# Altium PCB Coler.PcbDoc
Units mm, origin at the board's own origin, x right, y up, seen from the top; angles counter-clockwise.
Board outline 92 x 55 mm, 2 copper layers (Top Layer, Bottom Layer); 41 components, 40 nets, 159 pads, 5 vias.
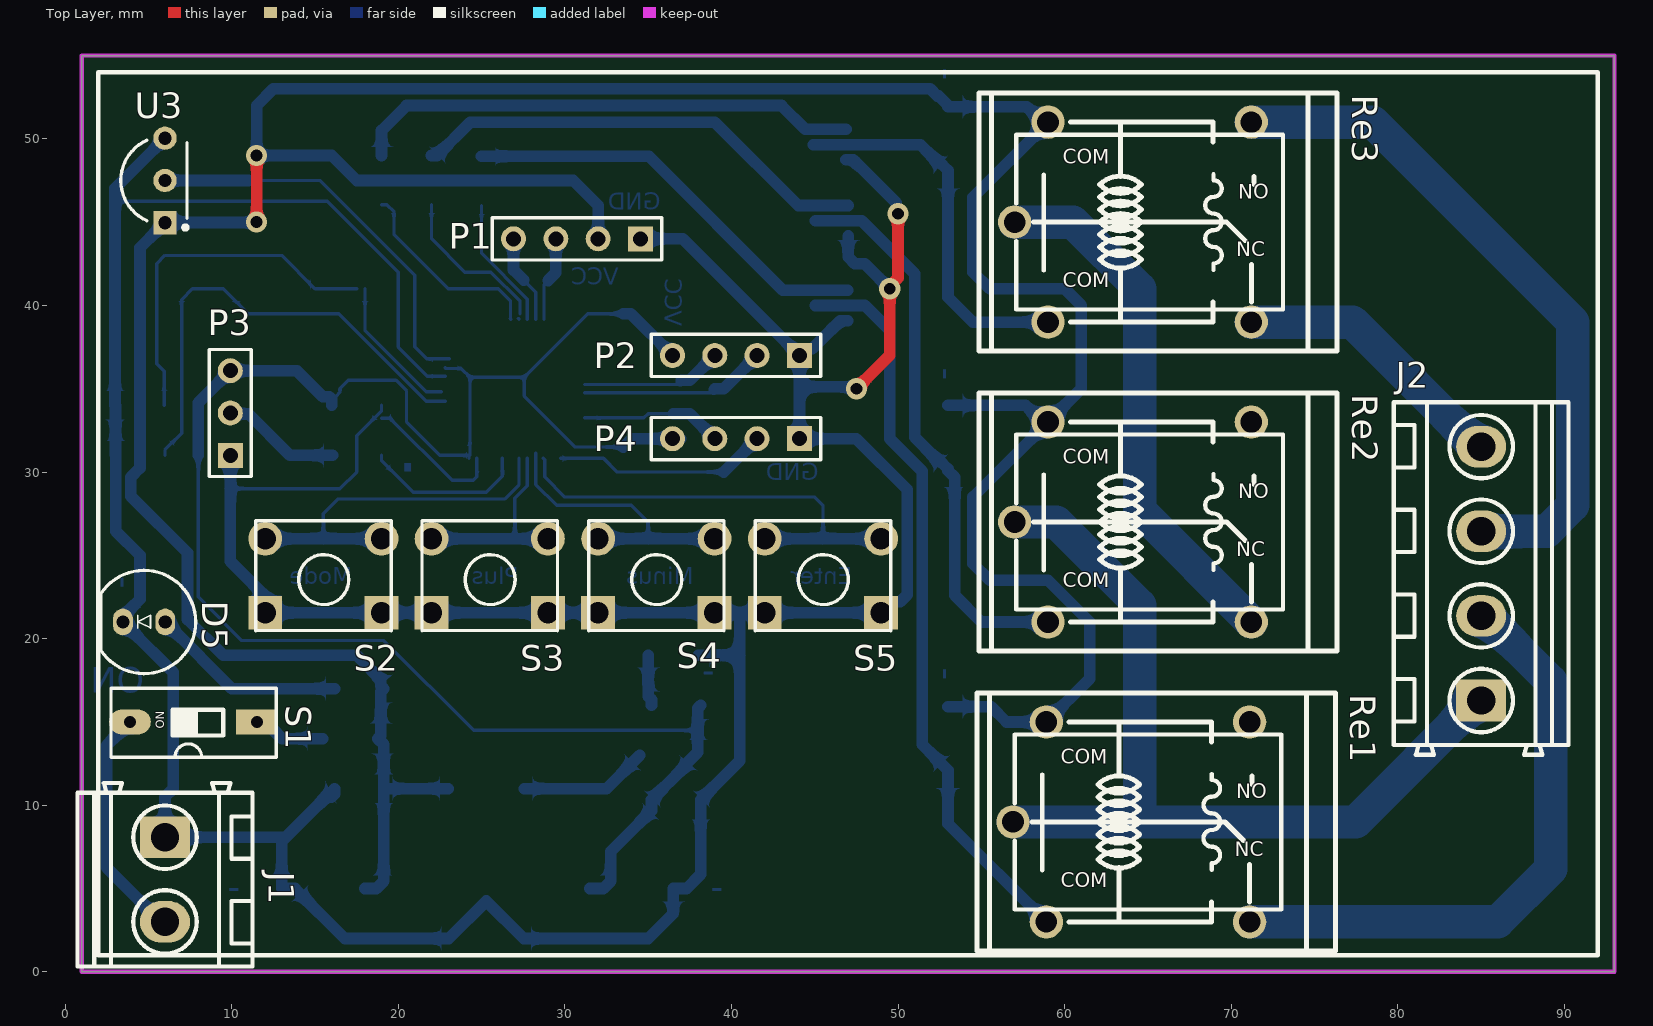
[diagram p0: Top Layer view]
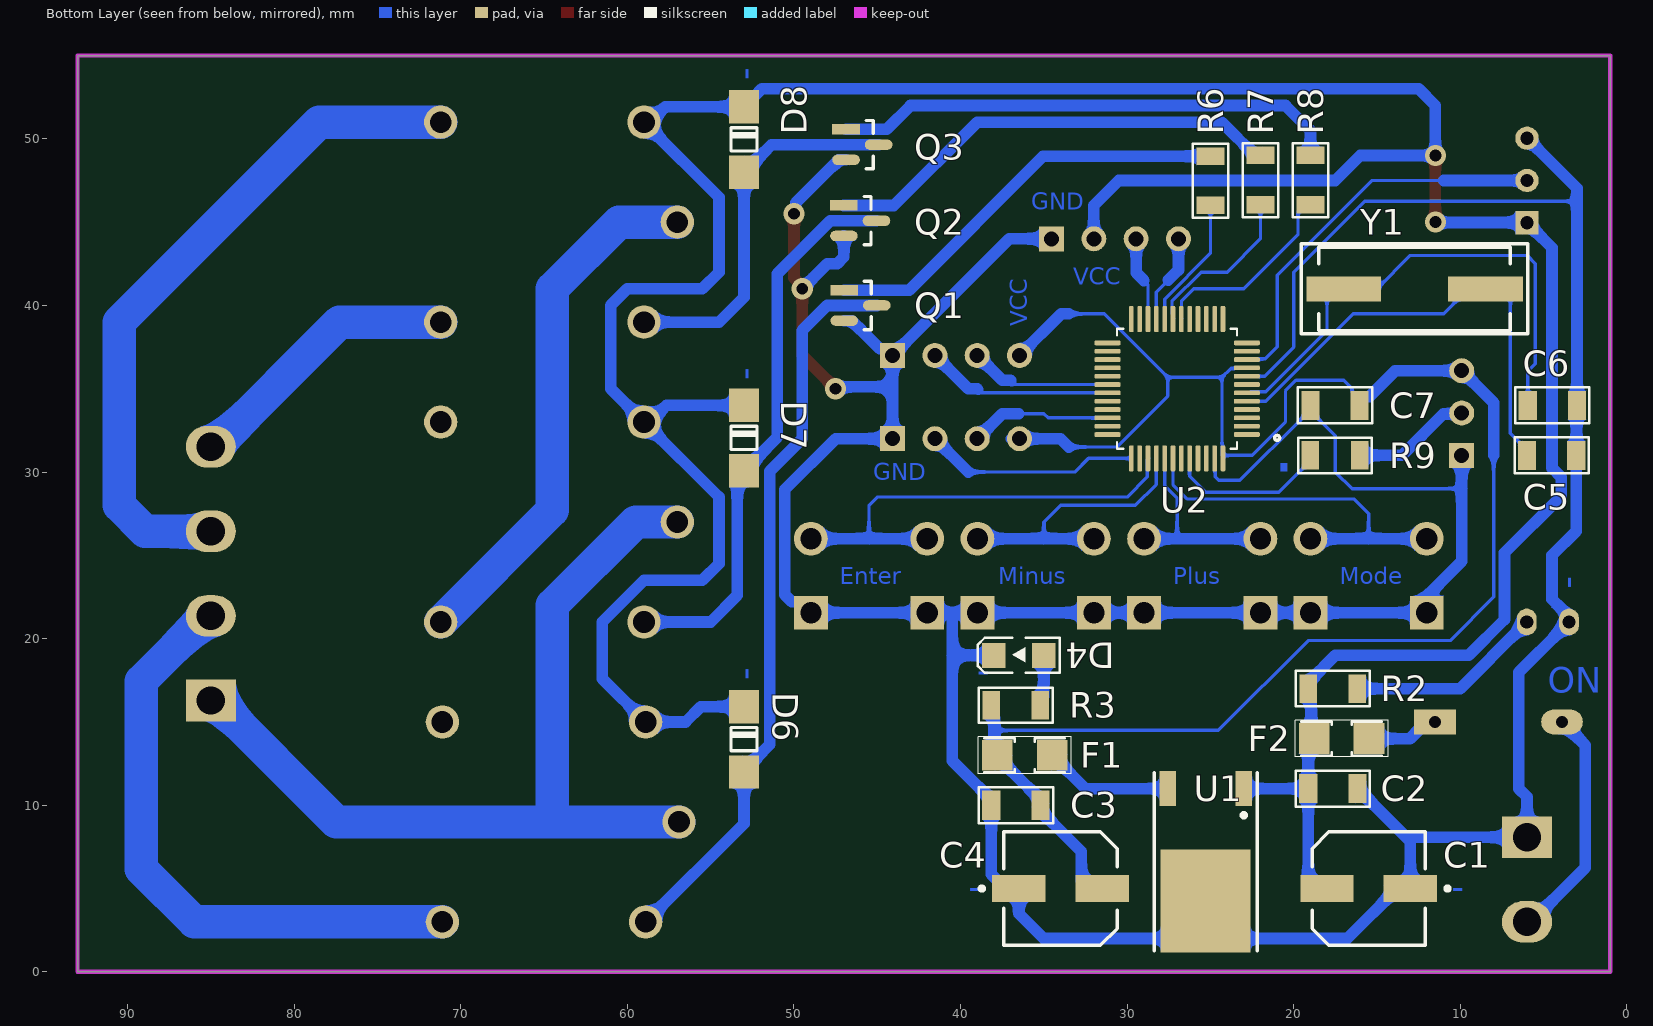
[diagram p1: Bottom Layer view, seen from below]

## Layer stack, top to bottom
Top Solder: solder mask 0.0102, Solder Resist, Dk 3.5
Top Layer: signal copper 0.0356
Dielectric 1: dielectric 0.32, FR-4, Dk 4.8
Bottom Layer: signal copper 0.0356
Bottom Solder: solder mask 0.0102, Solder Resist, Dk 3.5

## Board outline
1,0 1,55 93,55 93,0

## Design rules (kind name [scope] priority, off if disabled: settings)
Clearance [All] p1: gap=0.2 ignorepadtopadclearanceinfootprint=FALSE except(0.7: THPad-THPad THPad-Via THPad-Fill THPad-Poly THPad-Region THPad-Hole Via-Via Via-Fill Via-Poly Via-Region Via-Hole Fill-Fill Fill-Poly Fill-Region Fill-Hole Poly-Poly Poly-Region Poly-Hole Region-Region Region-Hole Text-Hole)
PolygonConnect [All] p1: connectstyle=Relief reliefconductorwidth=0.254 reliefentries=4 polygonreliefangle="90 Angle" airgapwidth=0.254
RoutingVias [All] p1: holewidth=0.711 width=1.27 viastyle="Through Hole" minholewidth=0.711 minwidth=1.27 maxholewidth=0.711 maxwidth=1.27
SolderMaskExpansion [All] p1: expansion=0.102 istentingtop=FALSE
SupplyNets "Schematic Supply Nets_4" [InNet('Vin')] p1: voltage=0.000
SupplyNets "Schematic Supply Nets_3" [InNet('VCC')] p2: voltage=0.000
SupplyNets "Schematic Supply Nets_2" [InNet('L')] p3: voltage=0.000
SupplyNets "Schematic Supply Nets_1" [InNet('micro VCC')] p4: voltage=0.000
SupplyNets "Schematic Supply Nets" [InNet('GND')] p5: voltage=0.000
UnRoutedNet [All] p1: checkbadconnections=TRUE
Width [All] p1: maxlimit=2 minlimit=0.2 preferedwidth=0.7
29 further rules are at their usual default settings.

## Classes and differential pairs
component class Coler: C1 C2 C3 C4 C6 D4 D6 D7 D8 enter F1 J1 J2 P1 P2 P4 Q1 Q2 Q3 R2 R3 R6 R7 R8 R9 Re1 Re2 Re3 S1 S2 S3 S4 S5 U1 U2 U3 Y1

## Components (designator, comment, footprint, x,y, rotation, side; value= is the part's Value field where it differs from the comment)
C1 "100uF 16V" "CAP ELECT SMD" 15.5,5 r0 bottom
C2 "100nF" CAP1206 13.354,13.24 r0 bottom
C3 "100nF" CAP1206 40.971,7.76 r180 bottom
C4 "100uF 16V" "CAP ELECT SMD" 34,5 r180 bottom
C5 "22pF" CAP1206 0.229,33.24 r0 bottom
C6 "22pF" CAP1206 0.179,36.24 r0 bottom
C7 "100nF" CAP1206 21.821,31.76 r180 bottom
D4 "LED_YELLOW_1206" "LED 1206" 33.348,17.217 r180 bottom
D5 "LED5MM_RED" LED5MM_RED 75.741,67.807 r180 top
D6 "1N4007" "Diode 1N4007 SMD" 50.548,8.952 r90 bottom
D7 "1N4007" "Diode 1N4007 SMD" 50.548,27.032 r90 bottom
D8 "1N4007" "Diode 1N4007 SMD" 50.548,44.952 r90 bottom
F1 "F=0.1 A" "Fuse 1206" 39.038,13.905 r0 bottom
F2 "F=1.0 A" "Fuse 1206" 20.013,14.905 r0 bottom
J1 "Phoenix 2 way" "Terminal Block 2Pin" 6,5.54 r270 top
J2 "Phoenix 4 way" "Terminal Block 4Pin" 85,23.905 r90 top
P1 "Header 4" "Header 4 Male" 62.861,64.32 r180 top
P2 "Header 4" "Header 4 Male" 72.401,57.32 r180 top
P3 "Header 3" "Header 3 Male" 26.809,13.093 r90 top
P4 "Header 4" "Header 4 Male" 72.401,52.32 r180 top
Q1 "BJT SOT23 SMD" "BJT SOT23 SMD" 46,40 r180 bottom
Q2 "BJT SOT23 SMD" "BJT SOT23 SMD" 46.023,45.085 r180 bottom
Q3 "BJT SOT23 SMD" "BJT SOT23 SMD" 45.895,49.65 r180 bottom
R2 "220R" RES1206 13.234,18.976 r0 bottom
R3 "220R" RES1206 32.259,17.976 r0 bottom
R6 "10K" RES1206 23.024,43.054 r90 bottom
R7 "10K" RES1206 20.024,43.104 r90 bottom
R8 "10K" RES1206 17.024,43.104 r90 bottom
R9 "10K" RES1206 13.104,32.976 r0 bottom
Re1 "Relay 1C" "Relay 2x1" 65,9 r0 top
Re2 "Relay 1C" "Relay 2x1" 65.1,27 r0 top
Re3 "Relay 1C" "Relay 2x1" 65.1,45 r0 top
S1 "DIP Switch x1" "DIP Switch x1" 28.409,-37.959 r90 top
S2 "Push Button Switch DIP" "Push Button Switch DIP" 88.287,76.621 r180 top
S3 "Push Button Switch DIP" "Push Button Switch DIP" 98.272,76.621 r180 top
S4 "Push Button Switch DIP" "Push Button Switch DIP" 108.272,76.621 r180 top
S5 "Push Button Switch DIP" "Push Button Switch DIP" 118.272,76.621 r180 top
U1 "LF33 CDT" "Regulator SMD CDT" 16.444,10.039 r0 bottom
U2 "STM32F103C8T6" STM32F103C8T6 27,35 r0 bottom
U3 "LM35DZ/NOPB" LM35 6,47.5 r180 top
Y1 "8MHz" "Crystal SMD" 4.137,45.549 r0 bottom

## Footprints (in the part's own frame and the unit in brackets; to place one, negate y for a bottom-side part, rotate by r counter-clockwise, add the part's x,y. Pads: shape width x height; smd on the part's side, far side on the other; paste and mask are expansions set on the pad)
"BJT SOT23 SMD" [mm]
  rect 1.659x0.627 smd paste+0 mask+0: 1(-0.977,0.915)
  rrect100% 1.659x0.627 smd paste+0 mask+0: 2(-0.977,-0.915) 3(0.977,0)
  silkscreen extent 0.23,-1.45 0.65,1.45, body extent -1.2,-1.45 1.2,1.45, height 1.1
CAP1206 [mm]
  rect 1.1x1.75 smd: 1(2.821,2.24) 2(5.771,2.24)
  silkscreen extent 2.07,1.17 6.52,3.31, body extent 2.65,1.39 5.95,3.09, height 0.94
"CAP ELECT SMD" [mm]
  rect 3.2x1.6 smd paste+0 mask+0: 1(-2.5,0) 2(2.5,0)
  silkscreen extent -4.85,-3.4 3.4,3.4, body extent -3.9,-3.3 3.9,3.3, height 6.1
"Crystal SMD" [mm]
  rect 4.5x1.5 smd: 1(4.363,4.549) 2(12.863,4.549)
  silkscreen extent 1.81,1.85 15.41,7.25, body extent 2.4,2.3 14.7,6.8, height 5.18
"Diode 1N4007 SMD" [mm]
  rect 2x1.8 smd: 1(3.048,2.452) 2(6.968,2.452)
  silkscreen extent 4.32,1.64 5.72,3.28, body extent 2.51,1.09 7.51,3.79, height 2.16
"DIP Switch x1" [mm]
  rect 1.5x2.5 hole 0.7: 1(52.959,16.891)
  oval 1.5x2.5 hole 0.7: 2(52.959,24.511)
  silkscreen extent 50.83,15.74 54.99,25.65, body extent 50.99,15.75 54.99,25.65, height 6.8
"Fuse 1206" [mm]
  rect 1.85x1.85 smd: 1(-4.538,0.905) 2(-1.238,0.905)
  silkscreen extent -5.69,-0.2 -0.09,2, body extent -4.49,0.11 -1.29,1.71, height 1
"Header 3 Male" [mm]
  rect 1.5x1.5 hole 0.9: 1(17.907,16.891)
  round 1.5 hole 0.9: 2(20.447,16.891) 3(22.987,16.891)
  silkscreen extent 16.64,15.62 24.26,18.16, body extent 16.64,15.62 24.26,18.16, height 8.38
"Header 4 Male" [mm]
  rect 1.5x1.5 hole 0.9: 1(28.321,20.32)
  round 1.5 hole 0.9: 2(30.861,20.32) 3(33.401,20.32) 4(35.941,20.32)
  silkscreen extent 27.05,19.05 37.21,21.59, body extent 27.05,19.05 37.21,21.59, height 8.38
LED5MM_RED [mm]
  oval 1.2x1.6 hole 0.8: 1(69.725,46.807) 2(72.265,46.807)
  silkscreen extent 67.9,43.71 73.59,49.91, body extent 68.02,43.81 73.45,49.83, height 12.31
"LED 1206" [mm]
  rect 1.4x1.5 smd: 1(-4.652,1.783) 2(-1.652,1.783)
  silkscreen extent -5.61,0.73 -0.7,2.84, body extent -4.75,0.98 -1.55,2.58, height 0.68
LM35 [mm] "TO, Flat Index; 3 In-Line, Formed Axial Leads; Body Dia. 4.8mm; Leads 0.56 x 0.41 mm (max)"
  rrect7% 1.4x1.4 hole 0.8: 1(0,2.54)
  round 1.4 hole 0.8: 2(0,0) 3(0,-2.54)
  silkscreen extent -1.35,-2.41 2.65,2.95, body extent -1.33,-2.83 2.35,2.83, height 9.01
"Push Button Switch DIP" [mil]
  rect 80x80 hole 50: 1(2727.81,2167.97) 1(3002.81,2167.97)
  round 80 hole 50: 2(2727.81,1992.97) 2(3002.81,1992.97)
  silkscreen extent 2705,1950 3025,2210, body extent 2710,1959 3022,2203, height 205
"Regulator SMD CDT" [mm]
  rect 1x2.1 smd: 1(6.556,-0.961) 3(11.126,-0.961)
  rect 5.4x6.2 smd: 2(8.841,5.789)
  silkscreen extent 5.76,-1.91 11.93,8.79, body extent 5.57,-1.7 12.11,8.24, height 2.39
"Relay 2x1" [mm]
  round 2 hole 1.3 mask+0.05: 1(-8.1,0) 2(6.1,6) 3(6.1,-6) 4(-6.1,6) 5(-6.1,-6)
  silkscreen extent -10.25,-7.75 11.25,7.75, body extent -9.5,-7.75 9.5,7.75, height 15.51
RES1206 [mm]
  rect 1.05x1.7 smd: 1(2.946,1.976) 2(5.896,1.976)
  silkscreen extent 2.2,0.92 6.64,3.04, body extent 2.77,1.13 6.07,2.83, height 0.94
STM32F103C8T6 [mm]
  rrect50% 1.56x0.28 smd: 1(-4.18,2.75) 2(-4.18,2.25) 3(-4.18,1.75) 4(-4.18,1.25) 5(-4.18,0.75) 6(-4.18,0.25) 7(-4.18,-0.25) 8(-4.18,-0.75) 9(-4.18,-1.25) 10(-4.18,-1.75) 11(-4.18,-2.25) 12(-4.18,-2.75) 25(4.18,-2.75) 26(4.18,-2.25) 27(4.18,-1.75) 28(4.18,-1.25) 29(4.18,-0.75) 30(4.18,-0.25) 31(4.18,0.25) 32(4.18,0.75) 33(4.18,1.25) 34(4.18,1.75) 35(4.18,2.25) 36(4.18,2.75)
  rrect50% 0.28x1.56 smd: 13(-2.75,-4.18) 14(-2.25,-4.18) 15(-1.75,-4.18) 16(-1.25,-4.18) 17(-0.75,-4.18) 18(-0.25,-4.18) 19(0.25,-4.18) 20(0.75,-4.18) 21(1.25,-4.18) 22(1.75,-4.18) 23(2.25,-4.18) 24(2.75,-4.18) 37(2.75,4.18) 38(2.25,4.18) 39(1.75,4.18) 40(1.25,4.18) 41(0.75,4.18) 42(0.25,4.18) 43(-0.25,4.18) 44(-0.75,4.18) 45(-1.25,4.18) 46(-1.75,4.18) 47(-2.25,4.18) 48(-2.75,4.18)
  silkscreen extent -6.15,-3.6 3.6,3.6, body extent -4.5,-4.5 4.5,4.5, height 1.6
"Terminal Block 2Pin" [mm]
  rect 2.5x3 hole 1.7: 1(-2.54,0)
  oval 2.5x3 hole 1.7: 2(2.54,0)
  silkscreen extent -5.79,-5.25 5.21,5.25, body extent -5.67,-5.25 5.09,5.25, height 14.85
"Terminal Block 4Pin" [mm]
  rect 2.5x3 hole 1.7: 1(-7.62,0)
  oval 2.5x3 hole 1.7: 2(-2.54,0) 3(2.54,0) 4(7.62,0)
  silkscreen extent -10.87,-5.25 10.29,5.25, body extent -10.75,-5.25 10.17,5.25, height 14.85

## Part data
C1 C4: library part "CAP elect SMD", "CAP ALUM 100UF 20% 16V SMD", Capacitance=100uF, Case/Package=Radial, Dielectric Material=Aluminium, ESR (Equivalent Series Resistance)=360mR, Leakage Current=16uA, Max Operating Temperature=105°C, Min Operating Temperature=-55°C, Package Quantity=1000, Ratings=AEC-Q200, Ripple Current=240mA, Tolerance=20%, Voltage=16V, Construction=Cylindrical, Contact Plating=Tin, Diameter=6.3mm, Height=5.8mm, Height - Seated (Max)=0.24inch, Impedance=360mR, Lead Free="Lead Free", Lead Length=2.6mm, Lead Pitch=1.8mm, Length=5.8mm, Life (Hours)=2000Hour, Mount="Surface Mount", Number of Pins=2, Packaging="Tape and Reel", Polarity=Polar, Radiation Hardening=No, Reach SVHC Compliant=Yes, Ripple Current (AC)=240mA, RoHS Compliant=Yes, Series=FK, Termination=SMD/SMT, Voltage Rating=16V, Voltage Rating (DC)=16V, Width=6.6mm
C2 C3 C5 C6 C7: library part CAP1206, "CAP1206"
D4: library part LED_SMD_1206
D6 D7 D8: library part "Diode 1N4007 SMD", "Diode 1N4007 SMD"
F1 F2: library part "SMD Fuses 1206", "SMD Fuses 1206"
P1 P2 P4: library part "Header 4 Male"
P3: library part "Header 3 Male"
Q1 Q2 Q3: "TRANS NPN 40V 0.6A SMD SOT23-3", Case/Package=SOT-23, Collector Base Voltage (VCBO)=75V, Collector Emitter Breakdown Voltage=40V, Collector Emitter Saturation Voltage=1V, Continuous Collector Current=600mA, Current=1A, Emitter Base Voltage (VEBO)=6V, Frequency=300MHz, Max Operating Temperature=150°C, Max Power Dissipation=300mW, Min Operating Temperature=-55°C, Package Quantity=3000, Power Dissipation=350mW, Collector Emitter Voltage (VCEO)=40V, Contact Plating=Tin, Current Rating=600mA, Element Configuration=Single, Gain Bandwidth Product=300MHz, Height=1mm, hFE Min=100, Lead Free="Lead Free", Length=3.05mm, Max Breakdown Voltage=40V, Max Collector Current=600mA, Max Frequency=300MHz, Mount="Surface Mount", Number of Elements=1, Number of Pins=3, Packaging="Tape and Reel", Polarity=NPN, Radiation Hardening=No, REACH SVHC="No SVHC", Termination=SMD/SMT, Transition Frequency=300MHz, Voltage=40V, Voltage Rating (DC)=40V, Weight=0.000282oz, Width=1.4mm
R2 R3 R6 R7 R8 R9: library part RES1206, "RES1206"
U1: library part "Regulator SMD"
U2: "ARM® Cortex®-M3 STM32F1 Microcontroller IC 32-Bit 72MHz 64KB (64K x 8) FLASH 48-LQFP (7x7)", Package="LQFP-48 STMicroelectronics", Check_prices=https://www.snapeda.com/parts/STM32F103C8T6/STMicroelectronics/view-part/?ref=eda, MF=STMicroelectronics, MP=STM32F103C8T6, SnapEDA_Link=https://www.snapeda.com/parts/STM32F103C8T6/STMicroelectronics/view-part/?ref=snap
U3: library part "LM35 DIP", "Precision Centigrade Temperature Sensor, 3-pin TO-92, Pb-Free", Manufacturer="Texas Instruments", PackageTopMarking=NSXYTT*LM35*DZ, PowerWise=N, Code_JEDEC=TO-226-AA, ComponentLink1Description="Datasheet URL", ComponentLink1URL=http://www.ti.com/general/docs/lit/getliterature.tsp?genericPartNumber=LM35&fileType=pdf, CompType="Temp Sensor IC", PackageDescription="TO-92, Molded, 3 Lead", PackageReference=LP0003A, PinCount=3, RoHS=Y
Y1: library part "Crystal SMD", "Crystal SMD"

## Via types
v1: diameter 1.27, hole 0.711, Top Layer to Bottom Layer, 5 vias

## Nets (pads, with @x,y where several pads share a name; then routed paths per layer and width w, separated by ;. In a path a pad name is that pad's centre, name@x,y a point inside that pad or via, vN(x,y) a via of type N, cw(c..) or ccw(c..) an arc to the next point about the centre after c; other vN are vias at no path point)
BOOT0: R9.2 U2.44 | length 9.8
  Bottom Layer w0.2: R9.2 19,30.675 20.896,28.779 25.279,28.779 26.25,29.75 U2.44
ENTER: S5.2 U2.39 | length 27.5
  Bottom Layer w0.2: U2.39@28.71,30.82 28.79,30.74 28.79,29.71 30,28.5 45,28.5 45.492,28.008 45.492,26
  Bottom Layer w0.7: S5.2@42,26 45.492,26 S5.2@48.985,26
FAST: R8.1 U2.18 | length 12.1
  Bottom Layer w0.2: R8.1 19.325,46.05 19.75,45.625 19.75,44.25 23,41 26,41 26.74,40.26 26.74,39.25 26.71,39.22 U2.18
"FAST STATE": D8.1 Q3.3 Re3.5 | length 22.9
  Bottom Layer w0.7: Q3.3 51.35,49.65 52.35,48.65 52.45,48.65 53,48.1 D8.1 53,40.5 54.5,39 Re3.5
GND: C1.1 C2.1 C3.1 C4.1 C5.1 C6.1 C7.1 D4.1 D5.2 J1.1 P1.1 P2.1 P3.1 P4.1 Q1.2 Q2.2 Q3.2 S2.1 S3.1 S4.1 S5.1 U1.2 U2.8 U2.47 U3.3 | length 267.8
  Top Layer w0.7: v1(47.5,35) 49.5,37 49.5,41.154 50,41.654 v1(50,45.5)
  Bottom Layer w0.2: 3,46.25 15.75,46.25 20,42 20,37.5 21.75,35.75 U2.8 ; 9.918,29 16.5,29 17.5,30 17.5,32.175 19,33.675 C7.1 ; C7.1@19,33.225 19.504,33.225 23.229,29.5 24.5,29.5 24.71,29.71 U2.47@24.71,30.82
  Bottom Layer w0.7: U3.3 3,47.04 3,46.25 C6.1 3.025,33.975 3.025,31.025 C5.1 3.05,26.45 4.5,25 4.5,22.36 3.476,21.335 D5.2 3.476,20.935 3.861,20.55 3.926,20.55 6.5,17.976 6.5,11 6,10.5 J1.1 13.255,8.08 ; P3.1 9.918,29 9.918,24.652 S2.1@13.015,21.555 ; S2.1@12.015,21.555 S2.1@13.015,21.555 ; C2.1 16.175,10.675 15.975,10.475 15.65,10.475 13.255,8.08 ; P1.1 37.08,44 P2.1 ; D4.1 40.5,19 ; S4.1@39.5,21.04 S4.1@38.985,21.555 ; 40.5,21.04 40.5,19 ; Q3.2 47.314,48.735 49.891,46.159 49.891,45.609 v1(50,45.5) ; Q1.2 46.534,39.085 44.849,37.4 44.48,37.4 P2.1 ; Q2.2 47,42.91 47.41,42.5 48,42.5 v1(49.5,41) ; v1(47.5,35) 47.391,35.109 44.08,35.109 ; S2.1@13.015,21.555 19,21.555 22,21.555 28.985,21.555 32,21.555 S4.1@38.985,21.555 ; 13.255,8.08 13,7.825 C1.1 13.8,5 16.8,2 23.035,2 U1.2 27.535,2 35,2 36.5,3.5 C4.1 37.3,5 38.15,5.85 C3.1 38.15,10.325 40.5,12.675 40.5,19 ; S4.1@38.985,21.555 42,21.555 48.985,21.555 49.651,22.221 50.141,22.221 50.551,22.631 50.551,28.949 47.5,32 P4.1 44.08,35.109 ; 44.08,35.109 P2.1
L: J2.1 Re1.1 Re2.1 | length 53.9
  Bottom Layer w2: Re1.1 64.5,9 77.465,9 84.75,16.285 J2.1 ; Re2.1 59.5,27 64.5,22 64.5,9.5 64,9
"micro VCC": C3.2 C4.2 C7.2 F1.2 P2.4 P3.3 P4.4 R3.2 U2.9 U2.48 | length 114.1
  Bottom Layer w0.2: 8,31 8,22.5 10.612,19.888 19.137,19.888 24.523,14.503 37.98,14.503 ; C7.2 C7.2@16.212,34.162 ; C7.2@16.275,34.55 16.5,34.775 16.5,35 17,35.5 19.869,35.5 20.5,34.869 20.5,33 22.5,31 24.21,31 U2.48@24.25,30.96 ; U2.9 22.86,36.21 23.79,36.21 24.31,35.69 ; U2.48 U2.48@24.25,30.96 ; 33.5,31.5 30.627,31.5 27.563,34.563 27.563,35.69 ; 33.5,39.5 31.373,39.5 27.563,35.69 ; U2.48@24.25,30.96 24.29,31 24.31,31 24.31,35.69 ; 24.31,35.69 27.563,35.69
  Bottom Layer w0.7: 8,31 8,34.162 P3.3 13.92,36.08 15.475,34.525 15.85,34.525 16,34.375 C7.2@16,34 ; C4.2 32.3,5 32.75,5.45 32.75,7.225 35.2,9.675 C3.2 35.2,10.325 37.225,12.35 37.225,12.425 F1.2 37.98,13.18 37.98,14.503 37.98,15.825 R3.2 ; 33.5,31.5 34,32 P4.4 P4.4@36.944,32 ; 33.5,39.5 33.96,39.5 P2.4
MODE: S2.2 U2.42 | length 22.5
  Bottom Layer w0.2: 15.508,26 15.508,27.508 16.379,28.379 26.379,28.379 27.25,29.25 U2.42
  Bottom Layer w0.7: S2.2@12.015,26 15.508,26 S2.2@19,26
MUNES: S4.2 U2.40 | length 17.5
  Bottom Layer w0.2: U2.40@28.25,31.129 U2.40 28.25,29.25 29.5,28 34,28 35,27 35,26
  Bottom Layer w0.7: S4.2@32,26 35,26 S4.2@38.985,26
NetD1_2: 
NetD2_2: 
NetD3_2: 
NetD4_2: D4.2 R3.1 | length 3.1
  Bottom Layer w0.7: D4.2 35,16.53 35.205,16.325 R3.1
NetD5_1: D5.1 R2.1 | length 11.9
  Bottom Layer w0.7: D5.1 6.016,20.935 6.247,20.704 6.311,20.704 10.016,17 R2.1
NetF1_1: F1.1 U1.3 | length 7.8
  Bottom Layer w0.7: U1.3 32.5,11 F1.1
NetF2_1: F2.1 S1.1 | length 4.4
  Bottom Layer w0.7: S1.1 12.018,15 13.018,14 F2.1
NetJ2_2: J2.2 Re1.3 | length 36.5
  Bottom Layer w2: Re1.3 86,3 89.172,6.172 89.172,17.444 85.25,21.365 J2.2
NetJ2_3: J2.3 Re3.2 | length 41.4
  Bottom Layer w2: Re3.2 78.5,51 90.5,39 90.5,28 88.945,26.445 J2.3
NetJ2_4: J2.4 Re3.3 | length 16.9
  Bottom Layer w2: Re3.3 77.275,39 84.75,31.525 J2.4
NetP3_2: P3.2 R9.1 | length 7.2
  Bottom Layer w0.7: P3.2 9.969,33.488 11.012,33.488 13.5,31 R9.1
NetQ1_1: Q1.1 R6.2 | length 25.3
  Bottom Layer w0.7: R6.2 35.05,48.95 43.085,40.915 Q1.1
NetQ2_1: Q2.1 R7.2 | length 27.9
  Bottom Layer w0.7: R7.2 22.325,49 24.325,51 39,51 44,46 Q2.1
NetQ3_1: Q3.1 R8.2 | length 30.6
  Bottom Layer w0.7: R8.2 19,50.5 20.5,52 43,52 44.435,50.565 Q3.1
NetRe2_3: Re2.3 Re3.1 | length 31.9
  Bottom Layer w2: Re3.1 60.5,45 64.5,41 64.5,27.7 Re2.3
PLUS: S3.2 U2.41 | length 12.1
  Bottom Layer w0.2: 27,26 27,28.434 27.75,29.184 U2.41
  Bottom Layer w0.7: S3.2@22,26 26,26 S3.2@28.985,26
POMP: R6.1 U2.20 | length 8
  Bottom Layer w0.2: R6.1 25,43.131 27.75,40.381 U2.20
"POMP STATE": D6.1 Q1.3 Re1.5 | length 44.5
  Bottom Layer w0.7: Q1.3 48,40 49.5,38.5 49.5,32 51.451,30.049 51.451,13.649 53,12.1 53,8.9 Re1.5
RX: P2.3 U2.30 | length 8.5
  Bottom Layer w0.2: U2.30 36.75,35.25 37,35.5
  Bottom Layer w0.7: 37,35.5 37.5,35.5 P2.3
SCL: P1.4 U2.21 | length 5.4
  Bottom Layer w0.2: 27.525,41.525 28.25,40.801 U2.21
  Bottom Layer w0.7: P1.4 26.92,42.131 27.525,41.525
SDA: P1.3 U2.22 | length 5.1
  Bottom Layer w0.2: U2.22 28.75,41.25 29,41.5
  Bottom Layer w0.7: 29,41.5 29.46,41.96 P1.3
SLOW: R7.1 U2.19 | length 9.7
  Bottom Layer w0.2: R7.1 22,44 24,42 25.566,42 27.31,40.256 U2.19@27.31,39.5 ; U2.19@27.21,39.22 U2.19
"SLOW STATE": D7.1 Q2.3 Re2.5 | length 33.9
  Bottom Layer w0.7: Q2.3 47.822,45.085 51,41.907 51,32.08 52.35,30.73 52.45,30.73 53,30.18 D7.1 53.4,29.68 53.4,22.6 55,21 Re2.5
SWCLK: P4.2 U2.37 | length 13
  Bottom Layer w0.2: U2.37 32.32,30.82 33.14,30 39.54,30
  Bottom Layer w0.7: 39.54,30 P4.2
SWIO: P4.3 U2.34 | length 8.5
  Bottom Layer w0.2: U2.34 34.75,33.25 35,33.5 36.5,33.5
  Bottom Layer w0.7: 36.5,33.5 37.5,33.5 P4.3
TEMP: U2.10 U3.2 | length 24
  Bottom Layer w0.2: 11,47.5 15.303,47.5 20.99,41.813 20.99,37.51 21.71,36.79 U2.10@23.064,36.79
  Bottom Layer w0.7: U3.2 11,47.5
TX: P2.2 U2.31 | length 11.3
  Bottom Layer w0.2: U2.31 38.75,34.75 39,35
  Bottom Layer w0.7: 39,35 39.54,35 P2.2
VCC: C1.2 C2.2 D6.2 D7.2 D8.2 F2.2 P1.2 R2.2 Re1.4 Re2.4 Re3.4 U1.1 U3.1 | length 206.2
  Top Layer w0.7: v1(11.5,45) v1(11.5,49)
  Bottom Layer w0.7: v1(11.5,45) 11.48,44.98 6.02,44.98 U3.1 4.5,43.46 4.5,30.247 3.95,29.697 3.95,28.55 7.35,25.15 7.35,21.15 9.5,19 17.5,19 18.955,17.545 18.955,17.175 R2.2 18.955,16.825 18.955,14.18 F2.2 19.125,13.65 C2.2 ; C1.2 18.675,5 19.125,5.45 C2.2 ; U1.1 C2.2 ; P1.2 32,46 30.5,47.5 17.5,47.5 16,49 v1(11.5,49) 11.5,52 12.5,53 51.92,53 52.35,52.57 52.45,52.57 53,52.02 D8.2 57.728,51.92 58.648,51 Re3.4 ; D6.2 55.589,15.92 56.509,15 Re1.4 61.5,17.6 61.5,21 59,23.5 55.5,23.5 54.5,24.5 54.5,28.5 Re2.4 ; D7.2 57.648,34 58.648,33 Re2.4 ; Re3.4@58.824,50.824 54.5,46.5 54.5,42 55.5,41 60,41 61,40 61,35 Re2.4
Vin: J1.2 S1.2 | length 14.3
  Bottom Layer w0.7: S1.2 3.615,15 3.245,14.63 3.245,14.347 2.5,13.602 2.5,6.25 5.75,3 J1.2
X1: C5.2 U2.5 Y1.1 | length 28.6
  Bottom Layer w0.2: C5.2 6,31.325 7,32.325 7,40.35 7.65,41 8,41 9.5,41 11,39.5 16.434,39.5 21.684,34.25 U2.5
X2: C6.2 U2.6 Y1.2 | length 30.3
  Bottom Layer w0.2: C6.2 5.95,36.05 5.5,36.5 5.5,42.5 6,43 13,43 15,41 Y1.2@17.5,41 ; Y1.2@18,41 18,38.5 21.69,34.81 U2.6@22.573,34.81
pads on no net: Re1.2 Re2.2 U2.1 U2.2 U2.3 U2.4 U2.7 U2.11 U2.12 U2.13 U2.14 U2.15 U2.16 U2.17 U2.23 U2.24 U2.25 U2.26 U2.27 U2.28 U2.29 U2.32 U2.33 U2.35 U2.36 U2.38 U2.43 U2.45 U2.46

## Keep-outs
Keep-Out Layer:
  the board outline again, w0.254

## Other copper
Bottom Layer:
  text "-" at 52.242,53.504 h1.52 r270
  text "GND" at 35.746,45.754 h1
  text "VCC" at 33.246,41.254 h1
  text "VCC" at 36.004,38.754 h1 r270
  text "-" at 52.242,35.504 h1.52 r270
  text "." at 21.246,30.004 h3
  text "GND" at 45.246,29.504 h1
  text "-" at 4.008,23.746 h1.52 r90
  text "Mode" at 17.246,23.254 h1
  text "Plus" at 27.246,23.254 h1
  text "Minus" at 37.746,23.254 h1
  text "Enter" at 47.246,23.254 h1
  text "-" at 38.254,18.508 h1.52 r180
  text "-" at 52.242,17.504 h1.52 r270
  text "ON" at 4.746,16.754 h1.52
  text "-" at 9.754,5.508 h1.52 r180
  text "-" at 38.754,5.508 h1.52 r180

## Silkscreen, mask and mechanical layers (free items; w line width, h text height)
Top Overlay:
  lines w0.254: 2,1 92,1 92,54 2,54 2,1

## Text inside footprints (layer, text, board x,y; h text height)
Re1: Top Overlay "COM" at 59.771,4.79 h1.5; Top Overlay "COM" at 59.771,12.19 h1.5; Top Overlay "NO" at 70.311,10.115 h1.5; Top Overlay "NC" at 70.211,6.64 h1.5
Re2: Top Overlay "COM" at 59.871,22.79 h1.5; Top Overlay "COM" at 59.871,30.19 h1.5; Top Overlay "NO" at 70.411,28.115 h1.5; Top Overlay "NC" at 70.311,24.64 h1.5
Re3: Top Overlay "COM" at 59.871,40.79 h1.5; Top Overlay "COM" at 59.871,48.19 h1.5; Top Overlay "NO" at 70.411,46.115 h1.5; Top Overlay "NC" at 70.311,42.64 h1.5
S1: Top Overlay "ON" at 5.941,14.583 h0.5 r90